# Allegro board reServer industrial J401 Carrier Board v11.brd (continued)
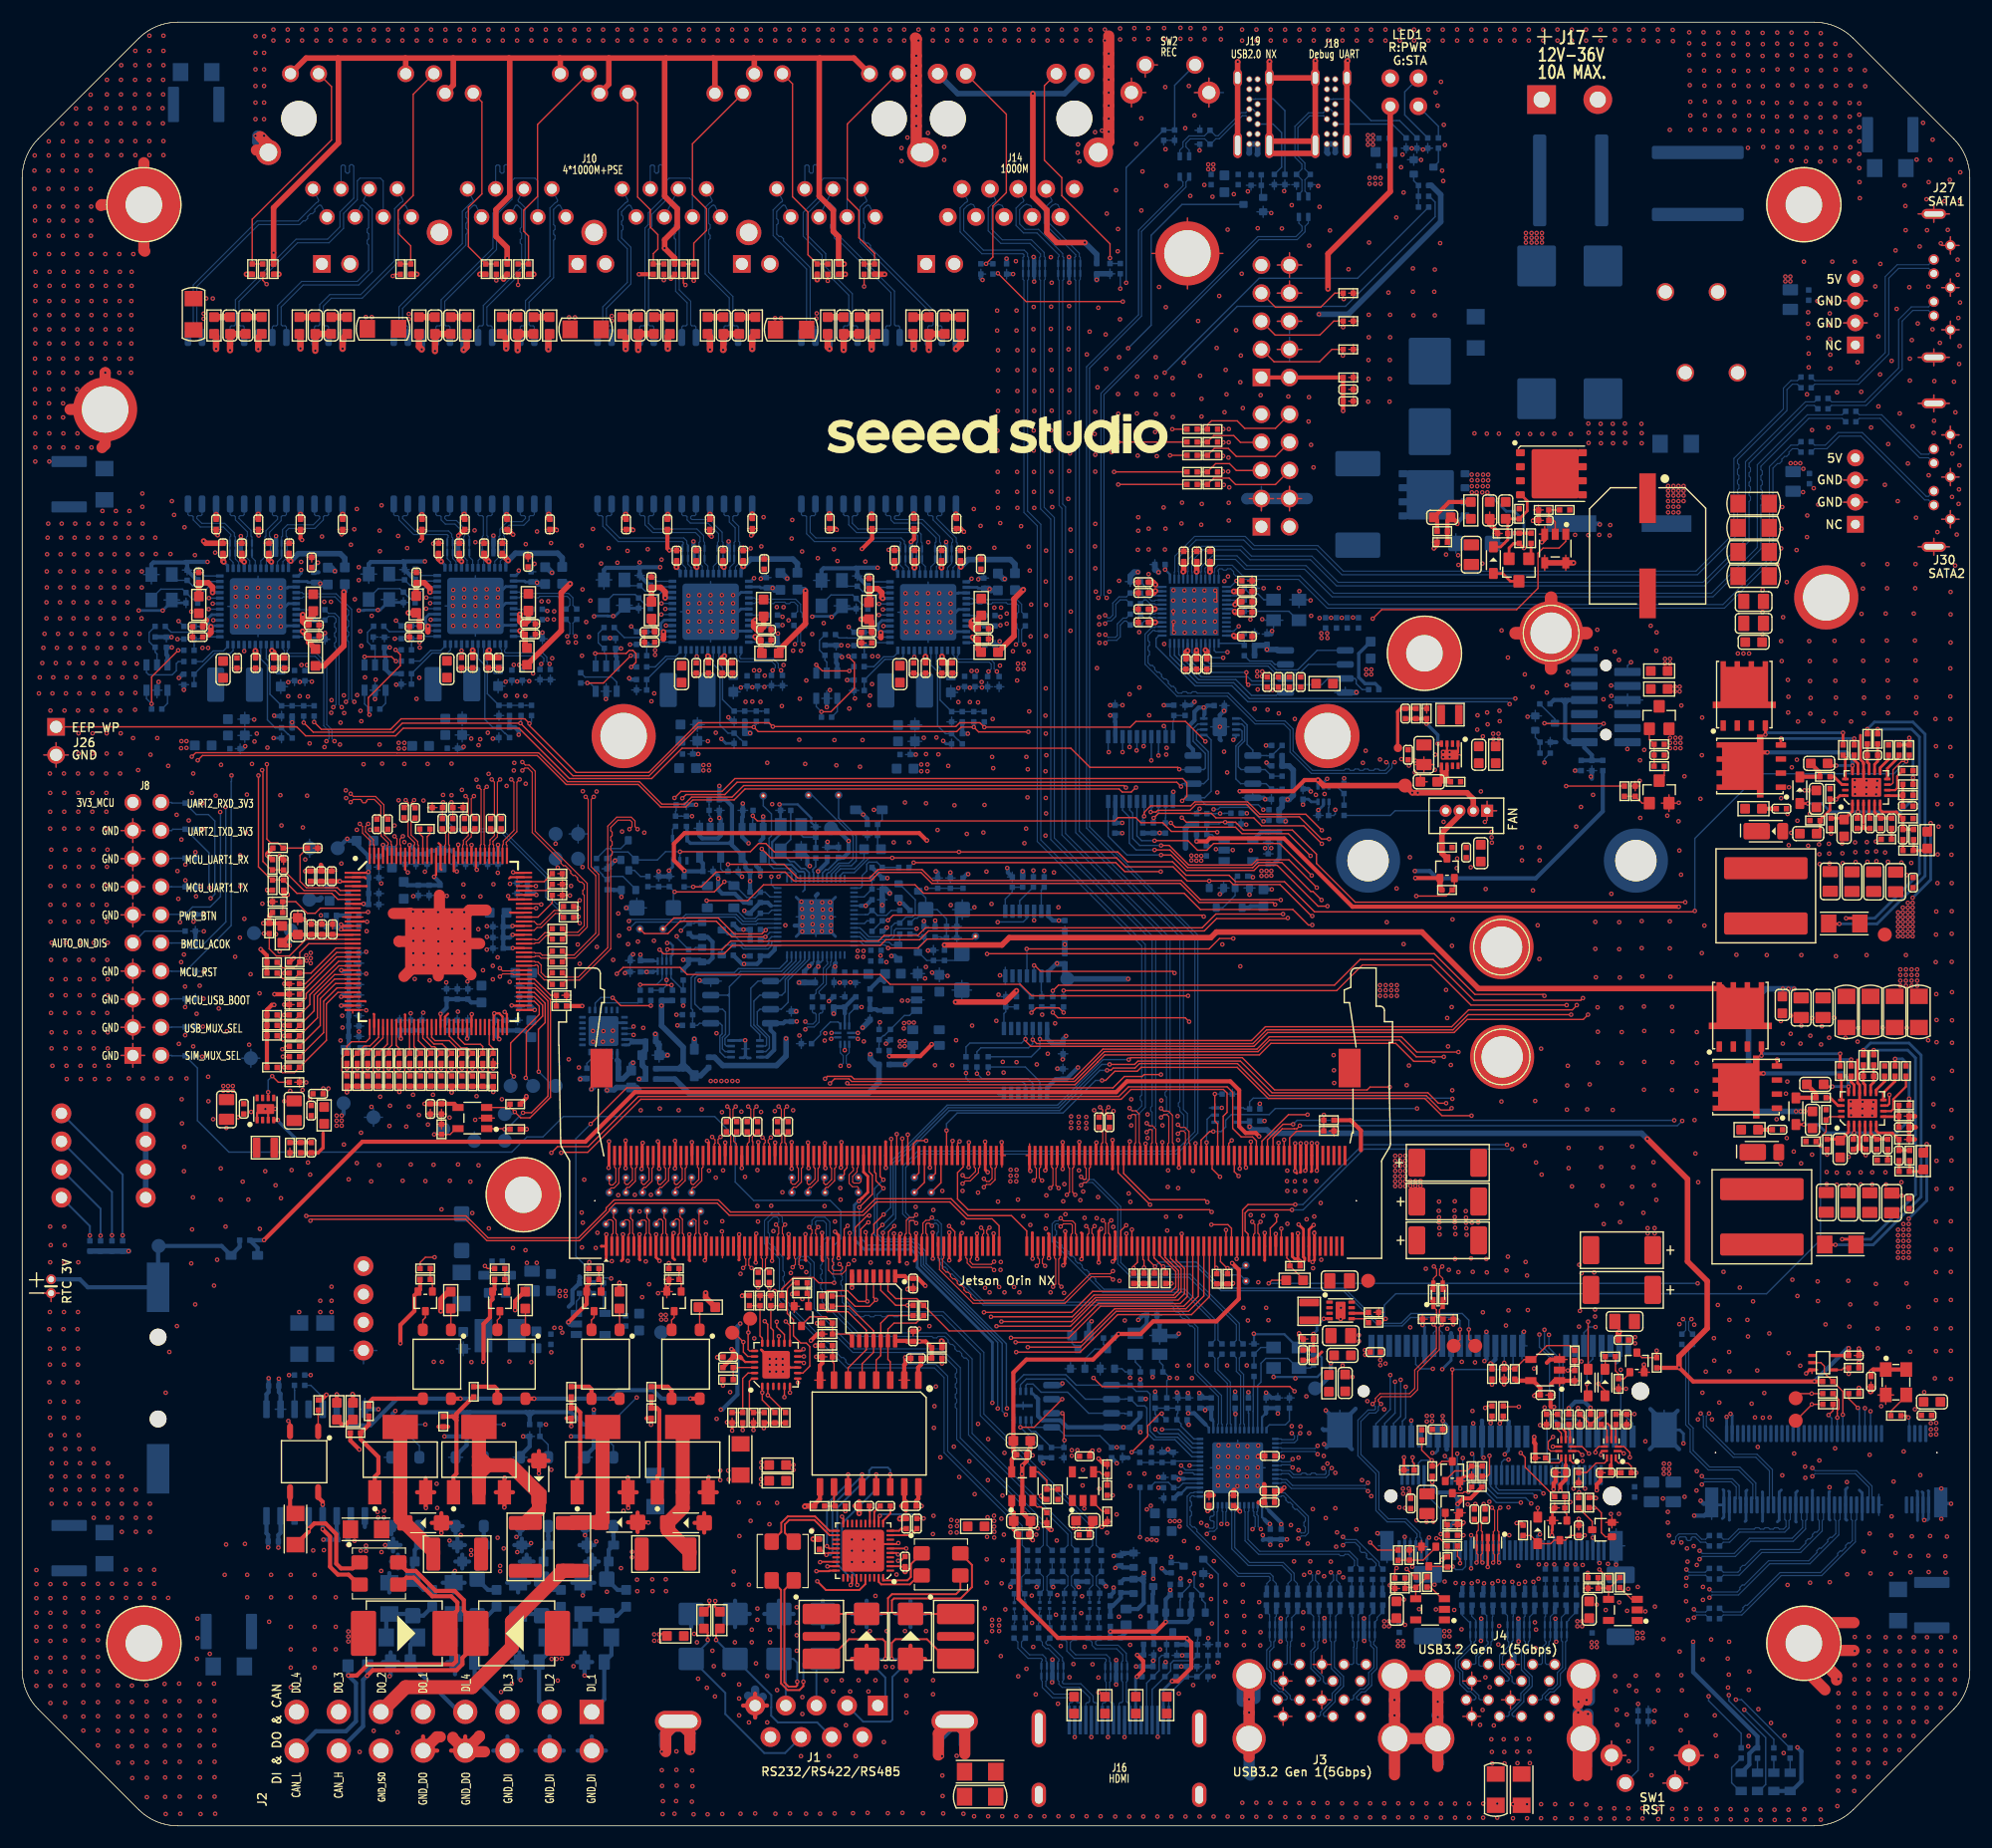
[diagram p0: board, top side]
## Routing (per net, layer and track width the routed paths; a pad name or vN(x,y) marks a point on that pad's centre or on a via; arc(x,y) is an arc through that point) (continued)
TYPE C_USB_DN: length 110.5
  LAY4 w0.084: v1(73.96,68.68) 74.22,68.42 74.22,68.09 75.71,66.59 88.81,66.59 95.5,73.29 95.5,108.14 97.74,110.38 97.74,110.71 v1(98,110.98)
  BOTTOM w0.107: v1(98,110.98) 97.76,111.22 97.76,129.34 111.76,143.34 115.22,143.34 115.93,144.05 115.93,144.55 116.22,144.84 L25.3 ; v1(73.96,68.68) 74.2,68.92 74.2,69.59 73.93,69.86 U29.5
TYPE C_USB_DP: length 110.4
  LAY4 w0.084: v1(97.24,110.98) 97.5,110.71 97.5,110.48 95.27,108.24 95.27,73.38 90.55,68.66 90.37,68.66 90.15,68.45 90.15,68.27 89.94,68.05 89.76,68.05 89.54,67.84 89.54,67.66 89.32,67.44 89.15,67.44 88.93,67.22 88.93,67.05 88.71,66.83 78.4,66.83 78.27,66.96 77.97,66.96 77.84,66.83 77.54,66.83 77.41,66.96 77.11,66.96 76.98,66.83 76.67,66.83 76.55,66.96 76.24,66.96 76.12,66.83 75.81,66.83 75.06,67.58 75.06,67.76 74.85,67.97 74.67,67.97 74.45,68.19 74.45,68.42 v1(74.71,68.68)
  BOTTOM w0.107: L25.2 115.37,144.84 115.66,144.55 115.66,144.17 115.1,143.61 111.65,143.61 97.49,129.45 97.49,111.22 v1(97.24,110.98) ; U29.3 74.73,69.86 74.47,69.59 74.47,68.92 v1(74.71,68.68)
UART0_CTS: length 65.5
  TOP w0.127: J9.105 v1(78.78,53.52)
  LAY3 w0.127: v1(103.17,99.39) 103.17,98.58 100.17,95.58 98.47,95.58 97.22,94.34 97.22,68.02 92.98,63.78 82.11,63.78 80.76,62.43 80.76,61.77 79.24,60.25 79.24,53.98 v1(78.78,53.52)
  BOTTOM w0.127: v1(103.17,99.39) 103.34,99.22 U18.9
UART0_CTS_3V3: length 74.3
  TOP w0.127: v1(103.8,90.64) 104.19,90.25 109.64,90.25 110.23,89.66 114.42,89.66 v1(116.43,87.66) ; R308.1 132.37,37.95 v1(132.2,37.77)
  LAY3 w0.127: v1(116.43,87.66) 117.37,86.71 117.37,84.95 117.38,84.95 117.38,84.47 119.4,82.45 119.4,74.29 122.85,70.84 122.85,64.04 133.29,53.6 133.29,41.46 132.2,40.36 v1(132.2,37.77)
  BOTTOM w0.127: v1(103.8,90.64) R81.2 103.31,91.08 103.34,91.11 U18.12
UART0_RTS: length 63.3
  TOP w0.127: J9.103 78.28,53.68 v1(78.81,54.21)
  LAY3 w0.127: v1(101.34,97.56) 101.34,97.21 100.07,95.94 97.96,95.94 96.86,94.84 96.86,68.07 92.9,64.11 81.93,64.11 80.51,62.69 80.51,62.14 78.81,60.43 v1(78.81,54.21)
  BOTTOM w0.127: v1(101.34,97.56) 101.39,97.61 U18.6
UART0_RTS_3V3: length 81.1
  TOP w0.127: v1(135.25,37.87) 133.91,37.87 R310.1 ; v1(117.44,89.97) 115.99,91.42 111.85,91.42 110.73,92.54 105.96,92.54 105.61,92.18 101.98,92.18 101.39,91.59 v1(101.39,91.23)
  LAY3 w0.127: v1(117.44,89.97) 117.05,89.58 117.05,88.48 117.65,87.88 117.65,84.59 119.67,82.57 119.67,74.41 123.13,70.96 123.13,64.14 135.25,52.02 v1(135.25,37.87)
  BOTTOM w0.127: U18.15 v1(101.39,91.23) 101.26,91.11 R79.2
UART0_RXD: length 144.2
  TOP w0.127: v1(129.17,64.86) 129,64.69 128.18,64.69 126.88,65.99 112.72,65.99 109.83,68.88 100.96,68.88 100.56,68.48 98.58,68.48 98.4,68.3 98.06,68.3 v1(98.04,68.28) ; J9.101 v1(77.78,53.6)
  LAY3 w0.127: v1(102.68,96.73) 102.68,95.84 101.54,94.69 99.36,94.69 98.7,94.03 98.7,68.6 98.4,68.3 98.06,68.3 v1(98.04,68.28) ; v1(129.17,64.86) 129.17,64.47 143.02,50.62 143.02,41.79 143.53,41.28 143.53,36.38 146.02,33.88 146.02,33.02 145.54,32.54 143.13,32.54 141.51,30.92 140.63,30.92 v1(140.18,30.47)
  BOTTOM w0.127: v1(77.78,53.6) 77.78,53.74 78.94,54.89 78.94,59.79 83.79,64.65 93.75,64.65 97.38,68.28 v1(98.04,68.28) ; v1(102.68,96.73) 102.68,97.06 102.69,97.06 U18.8 ; J6.64 v1(140.18,30.47)
UART0_RXD_3V3: length 82.6
  TOP w0.127: v1(102.25,91.08) 102.67,91.5 107.46,91.5 107.87,91.09 111.29,91.09 112.01,90.38 115.82,90.38 v1(117.44,88.75)
  LAY3 w0.127: v1(117.44,88.75) 117.9,88.29 117.9,84.91 120.55,82.27 120.55,74.77 124,71.32 124,64.4 137.56,50.85 v1(137.56,44.83)
  BOTTOM w0.127: R80.2 102.22,91.05 v1(102.25,91.08) 102.69,91.52 U18.13 ; J5.13 140.72,36.49 140.45,36.76 139.18,36.76 138.9,37.04 138.9,41.79 137.56,43.13 v1(137.56,44.83)
UART0_TXD: length 146
  TOP w0.127: v1(77.74,54.31) 77.28,53.85 J9.99 ; v1(128.68,65.31) 127.97,65.31 127.03,66.25 112.95,66.25 110.09,69.11 100.82,69.11 100.53,68.81 v1(98.26,68.81)
  LAY3 w0.127: v1(128.68,65.31) 128.68,64.36 142.79,50.24 142.79,41.69 143.3,41.18 143.3,36.28 145.73,33.86 145.73,33.19 145.3,32.77 143.03,32.77 141.42,31.15 140.16,31.15 139.73,30.72 139.73,29.43 v1(139.9,29.26) ; v1(98.26,68.81) 98.26,94.41 98.82,94.97 100.63,94.97 101.94,96.28 v1(102.04,96.28)
  BOTTOM w0.127: v1(77.74,54.31) 77.77,54.31 78.71,55.25 78.71,59.92 78.76,59.97 83.68,64.9 93.65,64.9 97.56,68.81 v1(98.26,68.81) ; v1(139.9,29.26) 139.9,29.95 139.68,30.16 J6.62 ; U18.7 v1(102.04,96.28)
UART0_TXD_3V3: length 83.4
  TOP w0.127: v1(118.1,89.18) 117.42,89.18 115.41,91.19 111.76,91.19 110.64,92.31 106.07,92.31 105.53,91.77 102.62,91.77 102.47,91.62 v1(101.98,91.62)
  LAY3 w0.127: v1(118.1,89.18) 118.15,89.13 118.15,85.16 120.9,82.41 120.9,74.92 124.35,71.46 124.35,64.49 137.96,50.88 v1(137.96,44.38)
  BOTTOM w0.127: v1(101.98,91.62) 102.04,91.68 U18.14 ; v1(137.96,44.38) 137.96,43.19 139.23,41.92 139.23,37.37 139.51,37.09 141.22,37.09 141.52,36.78 J5.11
UART1_CTS: length 45.6
  TOP w0.127: v1(90.87,43.26) 95.62,43.26 98.86,46.5 105.4,46.5 106.78,47.88 J9.209 ; U47.5 76.28,47.48 v1(76.37,47.39) 75.57,47.39 74.6,48.37 72.75,48.37 R353.1
  LAY4 w0.127: v1(76.37,47.39) 77.15,46.61 84.07,46.61 87.43,43.26 v1(90.87,43.26)
UART1_CTS_5V_ISO: length 9.3
  TOP w0.178: v1(72.73,25.28) 72.94,25.06 U42.25 ; U44.11 v1(74.63,31.75)
  BOTTOM w0.178: v1(74.63,31.75) 74.63,30.99 72.73,29.08 v1(72.73,25.28)
UART1_CTS_LS: length 10.1
  TOP w0.127: U44.6 74.63,41.38 76.28,43.03 U47.10 76.28,44.79 74.62,46.46 72.76,46.46 R353.2
UART1_EN_3V3: length 2.2
  TOP w0.127: Q52.1 71.06,48.01 R241.2 70.94,49.06 R442.2
UART1_RTS: length 38.7
  TOP w0.127: J9.207 106.28,47.86 105.15,46.73 98.73,46.73 95.7,43.7 v1(89.77,43.7) ; R351.1 v1(80.01,47.04) 78.94,47.04 77.58,48.39 U47.3
  LAY4 w0.127: v1(89.77,43.7) 87.39,43.7 84.05,47.04 v1(80.01,47.04)
UART1_RTS_5V_ISO: length 13.6
  TOP w0.178: U44.13 v1(77.17,31.75) ; v1(75.47,21.77) 75.4,21.84 U42.34
  BOTTOM w0.178: v1(75.47,21.77) 75.39,21.85 75.39,21.88 75.38,22.51 74.08,23.81 74.08,27.33 77.17,30.42 v1(77.17,31.75)
UART1_RTS_LS: length 8.5
  TOP w0.127: U44.4 77.17,42.09 77.58,42.5 U47.12 77.58,45.42 78.28,46.11 R351.2
UART1_RXD: length 43
  TOP w0.127: U47.4 76.93,47.75 v1(77.15,47.53) 76.57,46.95 75.26,46.95 74.33,47.88 R352.1 ; J9.205 105.78,47.77 104.97,46.96 97.44,46.96 94.59,44.1 v1(89.35,44.1)
  LAY4 w0.127: v1(89.35,44.1) 87.4,44.1 83.97,47.53 v1(77.15,47.53)
UART1_RXD_5V_ISO: length 11.7
  TOP w0.178: U44.12 v1(75.9,31.75) ; R390.2 72.17,24.99 v1(72.67,24.49) 72.85,24.66 U42.26
  BOTTOM w0.178: v1(72.67,24.49) 73.04,24.49 73.22,24.67 73.22,28.96 75.9,31.65 v1(75.9,31.75)
UART1_RXD_LS: length 9.5
  TOP w0.127: R352.2 74.72,46.95 76.93,44.74 U47.11 76.93,42.79 75.9,41.76 U44.5
UART1_TXD: length 35.7
  TOP w0.127: J9.203 105.28,47.83 104.65,47.2 97.23,47.2 94.76,44.72 83.77,44.72 R350.1 80.85,47.64 78.94,47.64 78.23,48.35 U47.2
UART1_TXD_5V_ISO: length 16.5
  TOP w0.178: U42.33 75,21.9 v1(74.87,21.77) ; U44.14 v1(78.44,31.75)
  BOTTOM w0.178: v1(74.87,21.77) 74.95,21.85 74.95,22.33 73.65,23.63 73.65,28.74 76.54,31.62 76.54,32.13 76.8,32.39 78.22,32.39 78.44,32.17 v1(78.44,31.75)
UART1_TXD_LS: length 8.4
  TOP w0.127: U44.3 78.44,41.94 78.23,42.15 U47.13 78.23,44.88 78.79,45.43 80.78,45.43 R350.2
UART2_RXD: length 81.5
  TOP w0.127: v1(114.37,82.04) 114.32,81.99 107.94,81.99 106.82,80.88 81.91,80.88 81.1,80.08 78.06,80.08 77.55,79.57 64.19,79.57 63.43,78.81 57.97,78.81 v1(57.6,79.17) ; J9.238 v1(114.03,62)
  LAY3 w0.127: v1(114.37,82.04) 114.42,81.99 114.42,71.7 113.49,70.77 113.49,62.6 114.03,62.06 v1(114.03,62)
  BOTTOM w0.127: v1(57.6,79.17) 57.83,78.94 U24.2
UART2_RXD_3V3: length 70.8
  TOP w0.127: v1(58.68,75.98) 58.29,75.98 58.26,76.01 v1(55.85,76.01)
  LAY3 w0.127: v1(55.85,76.01) 51.85,76.01 45.89,70.06 24.61,70.06 24.05,70.61 22.81,70.61 17.21,76.21 17.21,83.64 v1(17.04,83.82)
  BOTTOM w0.127: R152.2 v1(55.85,76.01) 57.32,76.01 57.83,76.52 U24.7 ; v1(58.68,75.98) 58.77,75.89 R156.2 ; J8.20 13.5,92.48 13.55,92.43 D20.2 14.73,92.4 15.74,91.39 16.83,91.39 17.42,90.81 17.42,84.2 v1(17.04,83.82)
UART2_TXD: length 80.3
  TOP w0.127: v1(113.53,61.72) J9.236 ; v1(58.31,79.2) 63.26,79.2 64.03,79.96 66.98,79.96 67,79.95 67.33,79.95 67.34,79.96 77.39,79.96 77.89,80.47 80.94,80.47 81.63,81.16 106.62,81.16 107.87,82.4 v1(113.94,82.4)
  LAY3 w0.127: v1(113.53,61.72) 113.26,61.99 113.26,70.87 113.94,71.55 v1(113.94,82.4)
  BOTTOM w0.127: U24.3 58.23,79.12 v1(58.31,79.2)
UART2_TXD_3V3: length 65.9
  LAY3 w0.127: v1(16.93,84.79) 17.44,84.28 17.44,76.3 22.9,70.84 24.15,70.84 24.71,70.28 45.51,70.28 51.67,76.44 v1(58.23,76.44)
  BOTTOM w0.127: v1(16.93,84.79) 16.88,84.84 16.88,87.94 14.75,90.07 D22.2 13.62,90.07 13.5,89.94 J8.18 ; U24.6 v1(58.23,76.44) 58.23,75.96 R418.2 R153.2
UART_USB_DN: length 25.1
  LAY4 w0.084: v1(55.25,71.47) 54.99,71.74 54.76,71.74 54.66,71.63 54.66,71.08 55.26,70.49 55.56,70.49 55.69,70.61 55.99,70.61 56.12,70.49 56.43,70.49 56.55,70.61 56.86,70.61 56.98,70.49 57.29,70.49 57.42,70.61 57.72,70.61 57.85,70.49 58.15,70.49 58.28,70.61 58.58,70.61 58.71,70.49 59.02,70.49 59.14,70.61 59.45,70.61 59.58,70.49 68.24,70.49 68.37,70.61 68.67,70.61 68.8,70.49 69.11,70.49 69.23,70.61 69.54,70.61 69.66,70.49 69.97,70.49 70.1,70.61 70.4,70.61 70.53,70.49 70.83,70.49 70.96,70.61 71.26,70.61 71.39,70.49 71.7,70.49 71.82,70.61 72.13,70.61 72.25,70.49 73.86,70.49 74.2,70.83 74.2,71.04 74.11,71.12 v1(73.11,71.12)
  BOTTOM w0.107: U54.4 55.15,71.57 v1(55.25,71.47) ; U29.6 73.2,71.26 73.11,71.16 v1(73.11,71.12)
UART_USB_DP: length 25.2
  LAY4 w0.084: v1(75.52,71.12) 74.52,71.12 74.43,71.04 74.43,70.73 73.95,70.25 55.16,70.25 54.42,70.99 54.42,71.73 54.66,71.97 54.99,71.97 v1(55.25,72.23)
  BOTTOM w0.107: v1(75.52,71.12) 75.38,71.26 U29.2 ; U54.3 55.09,72.07 v1(55.25,72.23)
USB0_AP_N: length 130.7
  TOP w0.107: v1(80.79,55.22) 80.55,54.98 80.16,54.98 79.9,54.71 79.9,53.55 79.78,53.44 J9.109
  BOTTOM w0.107: L24.3 105.46,148.86 105.17,148.56 105.17,148.1 101.15,144.09 101.15,136.44 96.45,131.74 96.45,90.28 106.24,80.5 106.24,62.61 104.34,60.71 81.04,60.71 79.84,59.5 79.84,55.41 80.27,54.98 80.55,54.98 v1(80.79,55.22)
USB0_AP_P: length 130.7
  TOP w0.107: v1(80.79,54.46) 80.55,54.71 80.27,54.71 80.17,54.6 80.17,53.55 80.28,53.44 J9.111
  BOTTOM w0.107: v1(80.79,54.46) 80.55,54.71 80.16,54.71 79.57,55.3 79.57,59.62 80.93,60.98 104.22,60.98 105.97,62.73 105.97,80.38 96.18,90.17 96.18,131.85 100.88,136.55 100.88,144.2 104.9,148.21 104.9,148.55 104.61,148.84 L24.2
USB0_VBUS_DET*: length 114.7
  TOP w0.127: v1(74.59,54.22) 74.28,53.91 J9.87
  LAY3 w0.127: v1(74.59,54.22) 74.59,61.93 80.94,68.28 84.98,68.28 94.68,77.98 94.68,105.06 96.54,106.91 96.54,118.05 99.94,121.46 v1(99.94,133.53)
  BOTTOM w0.127: Q23.3 104.81,146.52 102.02,143.74 102.02,135.61 v1(99.94,133.53)
USB1_A_N: length 8.7
  BOTTOM w0.107: J4.11 135.48,13.09 135.25,12.86 134.81,12.86 134.63,13.04 134.63,13.47 133.77,14.33 133.77,15.32 134.6,16.15 134.6,16.63 134.72,16.75 U3.9 U3.2 134.72,18.91 134.75,18.94 L6.3 134.79,19.54 R29.2
USB1_A_N_31554753: length 8.5
  BOTTOM w0.107: R16.2 117.19,19.53 L1.3 117.16,18.94 117.19,18.91 U41.2 U41.9 117.19,16.75 117.08,16.63 117.08,16.05 116.72,15.69 116.72,14.33 117.58,13.47 117.58,13.04 117.76,12.86 118.2,12.86 118.43,13.09 J3.11
USB1_A_P: length 8.6
  BOTTOM w0.107: J4.12 134.24,13.09 134.36,13.21 134.36,13.36 133.5,14.22 133.5,15.44 134.33,16.26 134.33,16.63 134.22,16.75 U3.10 U3.1 134.22,19 133.9,19.32 L6.2 133.85,19.54 R36.2
USB1_A_P_31554757: length 8.4
  BOTTOM w0.107: J3.12 117.19,13.09 117.31,13.21 117.31,13.36 116.45,14.22 116.45,15.8 116.81,16.16 116.81,16.63 116.69,16.75 U41.10 U41.1 116.69,18.94 116.31,19.32 L1.2 116.26,19.54 R19.2
USB1_AP_N: length 43.3
  TOP w0.107: v1(82.21,54.97) 81.97,54.73 81.66,54.73 81.4,54.47 81.4,53.55 81.28,53.44 J9.115
  BOTTOM w0.107: U8.46 108.44,36.29 108.37,36.35 108.37,38.9 106.24,41.03 106.24,45.04 103.95,47.32 86.96,47.32 83.07,51.22 83.07,54.38 82.72,54.73 82.46,54.73 v1(82.21,54.97)
USB1_AP_P: length 43.2
  TOP w0.107: v1(82.21,54.22) 81.97,54.46 81.77,54.46 81.67,54.35 81.67,53.55 81.78,53.44 J9.117
  BOTTOM w0.107: v1(82.21,54.22) 82.46,54.46 82.61,54.46 82.8,54.27 82.8,53.67 82.67,53.55 82.67,53.24 82.8,53.11 82.8,52.81 82.67,52.68 82.67,52.38 82.8,52.25 82.8,51.11 83.01,50.89 83.01,50.71 83.23,50.5 83.41,50.5 83.62,50.28 83.62,50.1 83.84,49.89 84.02,49.89 86.85,47.05 103.84,47.05 104.06,46.84 104.06,46.66 104.27,46.44 104.45,46.44 104.67,46.23 104.67,46.05 104.88,45.83 105.06,45.83 105.33,45.56 105.33,45.38 105.55,45.17 105.73,45.17 105.97,44.92 105.97,40.92 108.1,38.79 108.1,36.35 108.04,36.29 U8.45
USB2_A_N: length 12.3
  BOTTOM w0.107: R30.2 136.7,19.54 L7.3 136.65,19.32 136.22,18.89 U3.5 U3.6 136.22,16.75 136.1,16.63 136.1,16.13 135.74,15.77 135.74,14.21 136.45,13.5 136.45,12.61 135.69,11.86 135.69,11.22 134.63,10.16 134.63,10.01 134.75,9.89 J4.2
USB2_A_N_31554805: length 12.2
  BOTTOM w0.107: R560.2 119.09,19.53 L37.3 119.06,19.32 118.69,18.95 U41.5 U41.6 118.69,16.75 118.58,16.63 118.58,14.32 119.4,13.5 119.4,12.61 118.64,11.86 118.64,11.22 117.58,10.16 117.58,10.01 117.7,9.89 J3.2
USB2_A_P: length 12.2
  BOTTOM w0.107: J4.3 134.24,9.89 134.36,10.01 134.36,10.28 135.42,11.34 135.42,11.97 136.18,12.73 136.18,13.39 135.48,14.09 135.48,15.88 135.83,16.24 135.83,16.63 135.72,16.75 U3.7 U3.4 135.72,18.86 135.8,18.94 L7.2 135.76,19.54 R37.2
USB2_A_P_31554812: length 12
  BOTTOM w0.107: R561.2 118.17,19.54 L37.2 118.21,18.94 118.19,18.92 U41.4 U41.7 118.19,16.75 118.31,16.63 118.31,14.21 119.13,13.39 119.13,12.73 118.37,11.97 118.37,11.34 117.31,10.28 117.31,10.01 117.19,9.89 J3.3
USB2_AP_N: length 52.9
  TOP w0.107: R302.2 128.42,48.87 L29.3 128.37,49.47 128.08,49.76 128.08,50.3 v1(128.32,50.55) ; v1(98.57,49.37) 98.33,49.62 96.62,49.62 94.23,47.22 85.93,47.22 82.9,50.26 82.9,51.21 82.78,51.33 J9.121
  LAY4 w0.084: v1(98.57,49.37) 98.83,49.64 127.66,49.64 128.06,50.04 128.06,50.29 v1(128.32,50.55)
USB2_AP_P: length 52.9
  TOP w0.107: v1(98.57,50.13) 98.33,49.89 96.51,49.89 94.11,47.49 86.05,47.49 85.72,47.81 85.72,47.99 85.51,48.21 85.33,48.21 85.11,48.42 85.11,48.6 84.9,48.82 84.72,48.82 84.5,49.04 84.5,49.22 84.28,49.43 84.1,49.43 83.89,49.65 83.89,49.83 83.67,50.04 83.49,50.04 83.17,50.37 83.17,51.21 83.28,51.33 J9.123 ; R303.2 127.48,48.87 L29.2 127.52,49.47 127.81,49.76 127.81,50.3 v1(127.57,50.55)
  LAY4 w0.084: v1(98.57,50.13) 98.83,49.87 123.51,49.87 123.64,50 123.94,50 124.07,49.87 124.38,49.87 124.5,50 124.81,50 124.93,49.87 125.24,49.87 125.37,50 125.67,50 125.8,49.87 126.13,49.87 126.26,50 126.56,50 126.69,49.87 127.56,49.87 127.83,50.14 127.83,50.29 v1(127.57,50.55)
USB_DM: length 4.4
  BOTTOM w0.107: R161.2 72.01,75.25 72.01,75.4 72.67,76.06 72.67,77.38 73.05,77.77 73.05,78.06 73.12,78.13 U23.46
USB_DP: length 4.4
  BOTTOM w0.107: U23.47 72.72,78.13 72.78,78.06 72.78,77.88 72.4,77.49 72.4,76.17 71.74,75.51 71.74,75.25 R162.2
USB_HUB_RESET: length 40.3
  TOP w0.127: v1(70.6,43.08) 70.44,42.92 U51.12 ; v1(102.98,37.26) 102.82,37.26 101.71,36.15 101.71,35.21 v1(100.26,33.76)
  LAY4 w0.127: v1(70.6,43.08) 70.78,42.89 72.77,42.89 75.18,40.48 83,40.48 89.07,34.41 97.79,34.41 98.44,33.76 v1(100.26,33.76)
  BOTTOM w0.127: v1(102.98,37.26) 102.98,37.09 R55.1 ; R286.1 v1(100.26,33.76)
USB_MUX_SEL: length 71.1
  LAY3 w0.127: v1(14.73,71.45) 15.59,71.45 18.88,68.16 28.09,68.16 29,69.07 48,69.07 51.66,72.72 59.68,72.72 61.97,75.01 74.62,75.01 75.64,73.99 v1(75.85,73.99)
  BOTTOM w0.127: v1(75.85,73.99) R159.2 74.73,73.38 U29.10 ; J8.4 13.5,72.16 13.52,72.19 D35.2 v1(14.73,71.45)
USB_UART_RX: length 6.6
  TOP w0.127: v1(56.81,74.12) 54.09,74.12 53.38,74.83 v1(53.36,74.83)
  BOTTOM w0.127: R153.1 v1(56.81,74.12) ; U54.20 51.78,74.35 52.29,74.86 53.33,74.86 v1(53.36,74.83)
USB_UART_TX: length 4.1
  BOTTOM w0.127: U54.21 52.28,74.08 52.57,74.37 55.63,74.37 R152.1
USBSS2_RX_N: length 80
  TOP w0.107: C43.2 131.23,29 v1(131.31,29.09) ; J9.51 65.28,51.33 65.4,51.21 65.4,50.66 v1(65.15,50.42)
  LAY4 w0.084: v1(131.31,29.09) 131.58,29.35 131.58,29.46 131.45,29.59 130.07,29.59 129.94,29.46 129.63,29.46 129.51,29.59 129.2,29.59 129.07,29.46 128.77,29.46 128.64,29.59 128.34,29.59 128.21,29.46 127.91,29.46 127.78,29.59 127.12,29.59 126.91,29.8 126.73,29.8 126.51,30.02 126.51,30.2 125.14,31.57 121.56,31.57 116.49,36.63 109.4,36.63 109.38,36.65 90.67,36.65 84.29,43.02 75.08,43.02 72,46.1 67.18,46.1 65.41,47.86 65.41,50.16 v1(65.15,50.42)
USBSS2_RX_P: length 80
  TOP w0.107: v1(132.07,29.09) 132.09,29.09 132.19,28.98 C44.2 ; J9.53 65.78,51.33 65.67,51.21 65.67,50.66 v1(65.91,50.42)
  LAY4 w0.084: v1(132.07,29.09) 131.81,29.35 131.81,29.56 131.55,29.82 127.22,29.82 125.24,31.8 121.66,31.8 116.59,36.87 109.5,36.87 109.48,36.88 90.77,36.88 84.39,43.26 75.18,43.26 72.1,46.33 67.28,46.33 66.88,46.73 66.88,46.91 66.66,47.13 66.48,47.13 66.26,47.35 66.26,47.53 66.04,47.74 65.86,47.74 65.65,47.96 65.65,48.43 65.78,48.56 65.78,48.86 65.65,48.99 65.65,49.29 65.78,49.42 65.78,49.72 65.65,49.85 65.65,50.16 v1(65.91,50.42)
USBSS2_TX_N: length 2.6
  TOP w0.107: C216.2 66.9,50.42 66.9,51.21 66.78,51.33 J9.57
USBSS2_TX_P: length 2.6
  TOP w0.107: C217.2 67.17,50.38 67.17,51.21 67.28,51.33 J9.59
USBSS_RX_A_CON1_N: length 6.8
  BOTTOM w0.107: J4.14 130.49,14.6 130.5,14.61 131.26,14.61 131.36,14.71 131.36,15.35 132.47,16.46 132.47,16.63 132.35,16.75 U2.7 U2.4 132.35,18.99 132.04,19.3 L5.2 132.04,19.89 R31.2
USBSS_RX_A_CON1_N_31554771: length 6.3
  BOTTOM w0.107: J3.14 114.2,14.59 114.31,14.7 114.31,16.3 114.34,16.33 114.34,16.63 114.22,16.75 U69.7 U69.4 114.22,18.79 114.38,18.94 L2.2 114.33,19.54 R283.2
USBSS_RX_A_CON1_P: length 6.9
  BOTTOM w0.107: J4.15 132.48,14.59 132.33,14.44 131.77,14.44 131.63,14.57 131.63,15.24 132.74,16.34 132.74,16.63 132.85,16.75 U2.6 U2.5 132.85,18.88 132.89,18.92 L5.3 132.89,19.93 R28.2
USBSS_RX_A_CON1_P_31554780: length 6.4
  BOTTOM w0.107: R289.2 115.26,19.53 L2.3 115.23,19.32 114.72,18.82 U69.5 U69.6 114.72,16.75 114.61,16.63 114.61,16.22 114.58,16.19 114.58,14.7 114.68,14.59 J3.15
USBSS_RX_A_CON2_N: length 11.2
  BOTTOM w0.107: R32.2 130.14,19.9 L4.2 130.14,19.03 130.85,18.32 U2.1 U2.10 130.85,16.75 130.93,16.67 130.93,16.47 129.52,15.06 129.52,14.22 129.91,13.83 129.91,12.81 130.59,12.13 130.89,12.13 131.36,11.66 131.36,11.51 131.24,11.39 J4.5
USBSS_RX_A_CON2_N_31554819: length 10.6
  BOTTOM w0.107: J3.5 114.19,11.39 114.31,11.51 114.31,11.66 113.84,12.13 113.54,12.13 112.86,12.81 112.86,13.83 112.47,14.22 112.47,15.9 112.84,16.27 112.84,16.63 112.72,16.75 U69.10 U69.1 112.72,18.92 112.72,18.93 112.72,19.08 112.47,19.32 L38.2 112.43,19.54 R562.2
USBSS_RX_A_CON2_P: length 11.1
  BOTTOM w0.107: R33.2 130.99,19.91 L4.3 130.99,18.94 131.35,18.58 U2.2 U2.9 131.35,16.75 131.2,16.59 131.2,16.36 129.79,14.94 129.79,14.33 130.18,13.94 130.18,12.92 130.7,12.4 131.01,12.4 131.63,11.78 131.63,11.51 131.75,11.39 J4.6
USBSS_RX_A_CON2_P_31554826: length 10.5
  BOTTOM w0.107: J3.6 114.7,11.39 114.58,11.51 114.58,11.78 113.96,12.4 113.65,12.4 113.13,12.92 113.13,13.94 112.74,14.33 112.74,15.78 113.11,16.15 113.11,16.63 113.22,16.75 U69.9 U69.2 113.22,18.84 113.32,18.94 L38.3 113.35,19.53 R563.2
USBSS_RX_HUB_N: length 7.2
  BOTTOM w0.107: U8.51 110.44,36.29 110.37,36.35 110.37,40.8 109.99,41.19 109.99,42.29 C33.2
USBSS_RX_HUB_P: length 7.2
  BOTTOM w0.107: C32.2 109.72,42.29 109.72,41.08 110.1,40.69 110.1,36.35 110.04,36.29 U8.50
USBSS_RX_N: length 25.8
  TOP w0.107: J9.161 94.78,53.44 94.9,53.55 94.9,54.3 94.79,54.4 94.09,54.4 v1(93.84,54.16)
  BOTTOM w0.107: C36.1 108.06,43.91 108.06,45.51 105.07,48.49 97.76,48.49 97.01,49.24 97.01,49.42 96.79,49.63 96.61,49.63 96.4,49.85 96.4,50.03 96.18,50.25 96,50.25 95.79,50.46 95.79,50.64 95.57,50.86 95.39,50.86 95.18,51.07 95.18,51.25 94.96,51.47 94.78,51.47 94.56,51.68 94.56,51.86 94.35,52.08 94.17,52.08 93.95,52.29 93.95,52.47 93.74,52.69 93.56,52.69 93.34,52.9 93.34,53.32 93.47,53.44 93.47,53.75 93.34,53.88 93.34,54.3 93.45,54.4 93.6,54.4 v1(93.84,54.16)
USBSS_RX_P: length 26
  TOP w0.107: J9.163 95.28,53.44 95.17,53.55 95.17,54.41 94.9,54.67 94.09,54.67 v1(93.84,54.92)
  BOTTOM w0.107: C35.1 107.79,43.91 107.79,45.39 104.96,48.22 97.64,48.22 93.07,52.79 93.07,54.41 93.34,54.67 93.6,54.67 v1(93.84,54.92)
USBSS_TX_A_CON1_N: length 6.4
  BOTTOM w0.107: R38.2 137.64,19.51 L8.2 137.66,18.94 137.59,18.87 U4.1 U4.10 137.59,16.75 137.7,16.63 137.7,16.48 137.36,16.14 137.36,14.71 137.24,14.59 J4.17
USBSS_TX_A_CON1_N_31554787: length 6.3
  BOTTOM w0.107: R558.2 120.1,19.54 L3.2 120.14,18.94 120.24,18.85 U68.1 U68.10 120.24,16.75 120.36,16.63 120.36,16.18 120.31,16.14 120.31,14.71 120.19,14.59 J3.17
USBSS_TX_A_CON1_P: length 6.6
  BOTTOM w0.107: J4.18 137.75,14.59 137.63,14.71 137.63,16.03 137.97,16.37 137.97,16.63 138.09,16.75 U4.9 U4.2 138.09,18.9 138.51,19.32 L8.3 138.58,19.58 R39.2
USBSS_TX_A_CON1_P_31554796: length 6.3
  BOTTOM w0.107: R559.2 121.02,19.53 L3.3 120.99,19.32 120.74,19.07 U68.2 U68.9 120.74,16.75 120.62,16.63 120.62,16.07 120.58,16.03 120.58,14.71 120.7,14.59 J3.18
USBSS_TX_A_CON2_N: length 10.6
  BOTTOM w0.107: J4.8 137.24,11.39 137.36,11.51 137.36,11.78 137.97,12.38 138.29,12.38 138.73,12.81 138.73,13.85 139.19,14.32 139.19,16.64 139.09,16.75 U4.7 U4.4 139.09,18.85 139.56,19.32 L9.2 139.51,19.55 R34.2
USBSS_TX_A_CON2_N_31554833: length 10.6
  BOTTOM w0.107: J3.8 120.19,11.39 120.31,11.51 120.31,11.78 120.92,12.38 121.24,12.38 121.68,12.81 121.68,13.85 122.14,14.32 122.14,16 121.86,16.29 121.86,16.63 121.74,16.75 U68.7 U68.4 121.74,18.99 122.07,19.32 L39.2 122.03,19.54 R564.2
USBSS_TX_A_CON2_P: length 10.7
  BOTTOM w0.107: R35.2 140.45,19.54 L9.3 140.41,19.32 139.78,18.7 139.78,18.63 139.59,18.43 U4.5 U4.6 139.59,16.75 139.46,16.62 139.46,14.21 139,13.74 139,12.7 138.41,12.11 138.08,12.11 137.63,11.66 137.63,11.51 137.75,11.39 J4.9
USBSS_TX_A_CON2_P_31554840: length 10.8
  BOTTOM w0.107: R565.2 122.95,19.53 L39.3 122.92,19.32 122.44,18.84 122.44,18.63 122.24,18.43 U68.5 U68.6 122.24,16.75 122.12,16.63 122.12,16.4 122.41,16.11 122.41,14.21 121.95,13.74 121.95,12.7 121.36,12.11 121.03,12.11 120.58,11.66 120.58,11.51 120.7,11.39 J3.9
USBSS_TX_HUB_N: length 7.5
  BOTTOM w0.107: C36.2 108.06,42.26 108.06,41.21 109.17,40.1 109.17,36.35 109.24,36.29 U8.48
USBSS_TX_HUB_P: length 7.5
  BOTTOM w0.107: U8.47 108.84,36.29 108.9,36.35 108.9,39.98 107.79,41.1 107.79,42.26 C35.2
USBSS_TX_N: length 27.5
  TOP w0.107: J9.166 96.03,59.53 96.15,59.41 96.15,58.52 96.04,58.41 95.93,58.41 v1(95.69,58.65)
  BOTTOM w0.107: C33.1 109.99,43.89 109.99,45.41 105.55,49.85 100.33,49.85 99.27,50.91 99.27,55.97 96.83,58.41 95.93,58.41 v1(95.69,58.65)
USBSS_TX_P: length 27.5
  TOP w0.107: J9.168 96.53,59.53 96.42,59.41 96.42,58.41 96.15,58.14 95.93,58.14 v1(95.69,57.9)
  BOTTOM w0.107: v1(95.69,57.9) 95.93,58.14 96.72,58.14 99,55.85 99,50.8 100.22,49.58 105.44,49.58 109.72,45.3 109.72,43.89 C32.1
USIM_CLK: length 1.4
  TOP w0.127: R336.1 144.02,35.83 144.01,35.81 U46.3
USIM_DATA: length 1.6
  TOP w0.127: R333.1 143.2,35.77 U46.5
USIM_PWR: length 1.4
  TOP w0.127: R328.1 139.76,35.83 139.88,35.7 U45.3
USIM_RST: length 1.5
  TOP w0.127: R324.1 138.74,35.83 139.08,35.49 U45.5
VAUX_DET: length 5.9
  BOTTOM w0.127: U38.35 19.07,106.21 18.8,105.94 17.41,105.94 R219.1 R215.1
VAUX_DET_31552025: length 5.9
  BOTTOM w0.127: U30.35 38.71,106.25 38.44,105.99 37.05,105.99 R541.1 R546.1
VAUX_DET_31557392: length 5.9
  BOTTOM w0.127: U48.35 59.96,105.73 59.69,105.46 58.31,105.46 R426.1 R571.1
VAUX_DET_31560022: length 5.9
  BOTTOM w0.127: U71.35 79.62,105.68 79.35,105.42 77.96,105.42 R590.1 R595.1
VC1_EN: length 8.2
  TOP w0.127: R465.2 23.53,76.57 24.58,76.57 R466.1 26.09,77.06 28.36,79.33 U63.18
VP_1V2: length 3
  BOTTOM w0.254: C517.1 86.4,111.84 86.31,111.92 U71.14
  BOTTOM w0.508: FB28.1 87.53,111.65 v1(87.42,111.76) 87.35,111.84 C517.1
VP_1V20: length 3
  BOTTOM w0.254: U38.14 25.75,112.45 25.84,112.36 C180.1
  BOTTOM w0.508: C180.1 26.85,112.36 v1(26.94,112.27) 27.03,112.18 FB7.1
VP_1V21: length 3
  BOTTOM w0.254: C440.1 45.49,112.41 45.4,112.49 U30.14
  BOTTOM w0.508: FB18.1 46.65,112.22 v1(46.52,112.35) 46.46,112.41 C440.1
VP_1V22: length 3
  BOTTOM w0.254: U48.14 66.65,111.97 66.74,111.88 C477.1
  BOTTOM w0.508: C477.1 67.79,111.88 v1(67.81,111.86) 67.98,111.7 FB22.1
VPH_2V5: length 2.4
  TOP w0.508: FB30.1 86.4,106.32 C527.1 86.07,107.25 v1(85.89,107.42)
  BOTTOM w0.254: v1(85.89,107.42) 85.89,107.42 U71.23
VPH_2V50: length 2.7
  TOP w0.508: v1(25.34,107.95) 25.74,107.55 C272.1 25.9,106.96 FB9.1
  BOTTOM w0.254: U38.23 25.34,107.95 v1(25.34,107.95)
VPH_2V51: length 2.5
  TOP w0.508: v1(44.98,107.99) 45.29,107.68 C450.1 45.45,106.62 FB20.1
  BOTTOM w0.254: v1(44.98,107.99) 44.98,107.99 U30.23
VPH_2V52: length 2.5
  TOP w0.508: v1(66.24,107.47) 66.54,107.17 C487.1 66.75,106.06 FB24.1
  BOTTOM w0.254: U48.23 66.23,107.47 v1(66.24,107.47)
VPTX_1V2: length 3.2
  TOP w0.508: FB29.1 86.4,109.12 C518.1 86.03,108.19 85.79,108.44 85.79,108.79 v1(85.92,108.92)
  BOTTOM w0.254: U71.20 v1(85.92,108.92)
VPTX_1V20: length 3.3
  TOP w0.508: FB11.1 26.3,109.42 25.9,109.02 C274.1 25.67,108.51 25.34,108.84 25.34,109.43 v1(25.36,109.45)
  BOTTOM w0.254: U38.20 v1(25.36,109.45)
VPTX_1V21: length 3.1
  TOP w0.508: v1(45.01,109.49) 44.98,109.46 44.98,108.84 45.19,108.62 C441.1 45.74,108.92 FB19.1
  BOTTOM w0.254: U30.20 v1(45.01,109.49)
